# KiCad board DFTBoard.kicad_pcb (continued)
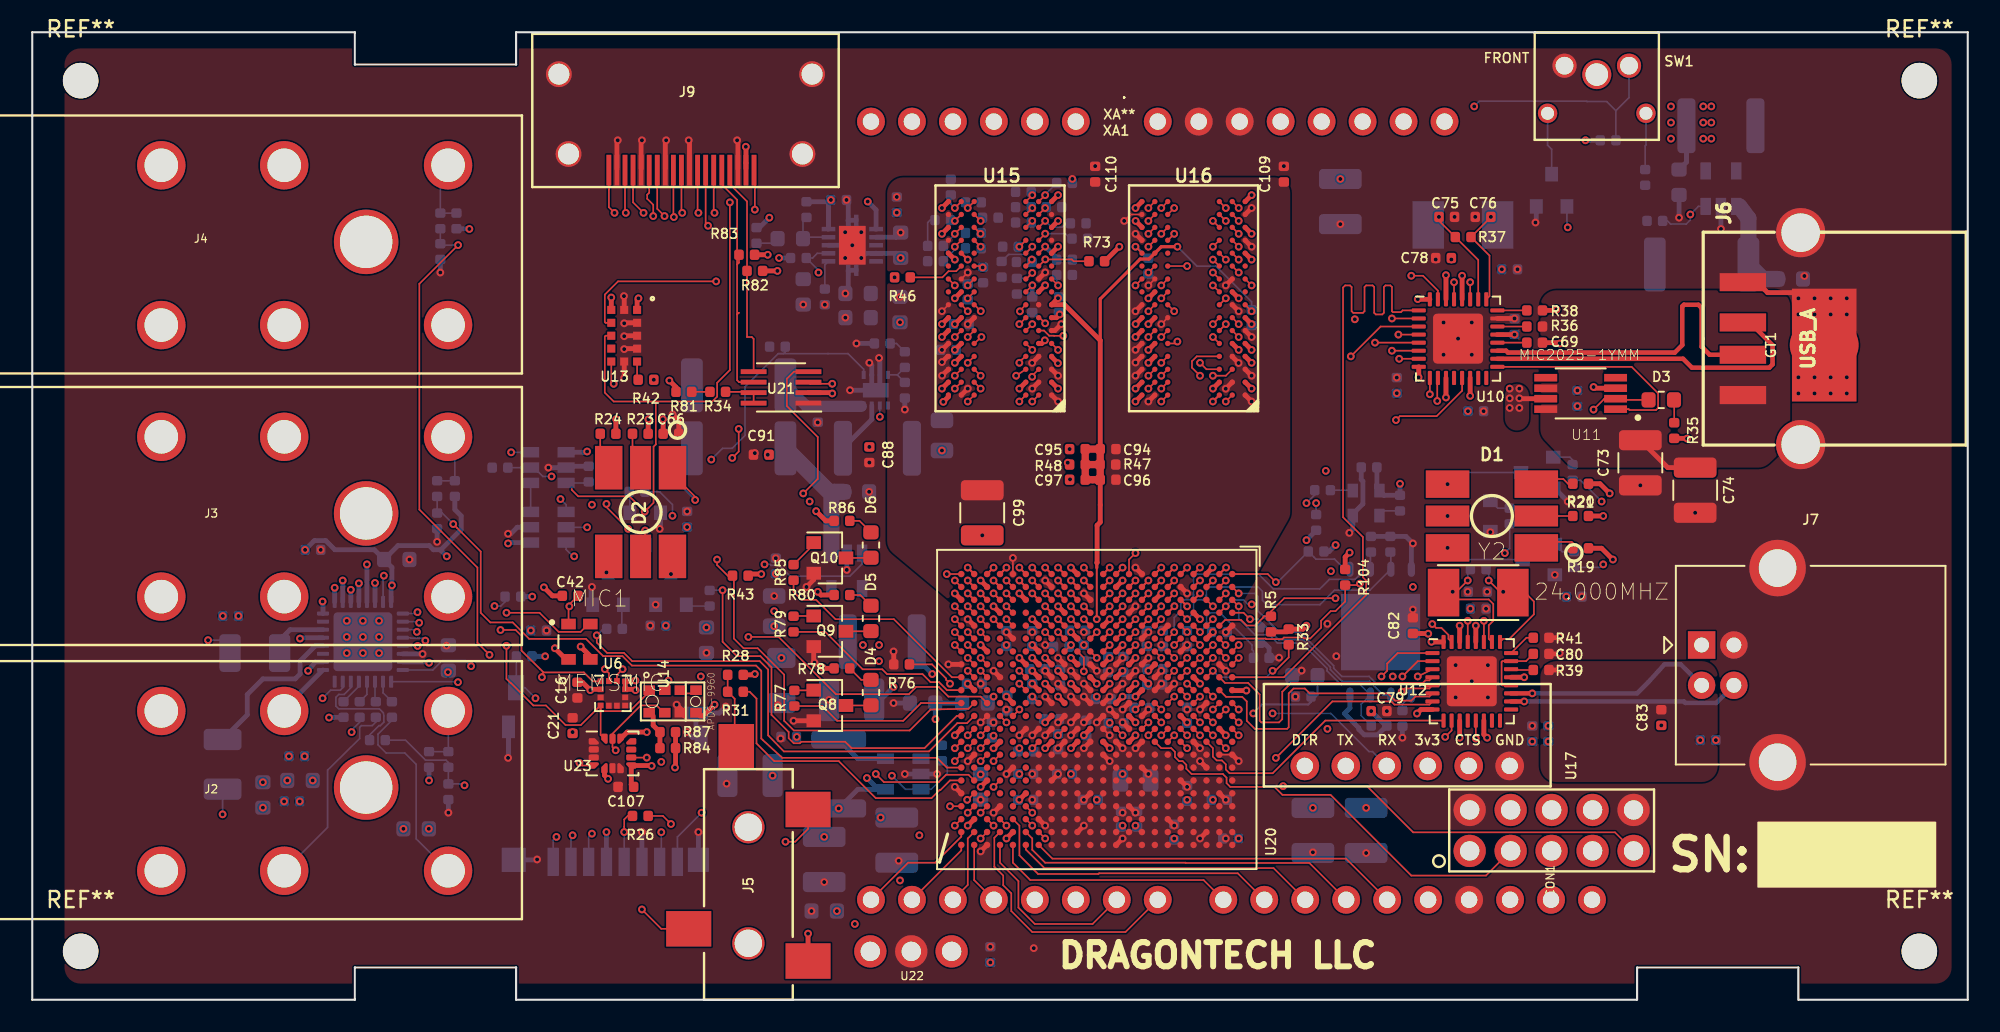
[diagram p0: board, top side]
## Routing (per net, layer and track width the routed paths; a pad name or vN(x,y) marks a point on that pad's centre or on a via; arc(x,y) is an arc through that point) (continued)
  SIGNAL4 w0.102: v1(65.2,23.6) 65.01,23.6
DDR3_A2: length 51.5
  TOP_GND w0.102: U16.P3 v1(73.2,48.3) ; U15.P3 v1(62,48.3)
  TOP_GND w0.13: U20.K4 v1(67.6,24.4)
  SIGNAL1 w0.102: v1(73.2,48.3) 71.6,49.9 66.5,49.9 65.78,49.17 63.57,49.17 63.1,48.7 62.4,48.7 v1(62,48.3)
  SIGNAL4 w0.102: 67.6,24.6 v1(67.6,24.4) 67.6,24.74 67.67,24.81 67.79,24.81 68,25.02 68,27.05 68.25,27.3 69.2,27.3 70.03,28.12 70.57,28.12 78.53,36.08 78.53,37.97 78.53,38 78.54,38.03 78.55,38.05 78.57,38.07 78.59,38.08 78.62,38.09 78.65,38.09 78.65,38.09 78.68,38.1 78.7,38.11 78.73,38.12 78.75,38.14 78.76,38.16 78.77,38.19 78.77,38.22 78.77,38.38 78.77,38.4 78.76,38.43 78.75,38.45 78.73,38.47 78.7,38.48 78.68,38.49 78.65,38.5 78.4,38.5 78.37,38.5 78.35,38.51 78.32,38.52 78.3,38.54 78.29,38.56 78.28,38.59 78.28,38.61 78.28,38.78 78.28,38.8 78.29,38.83 78.3,38.85 78.32,38.87 78.35,38.88 78.37,38.89 78.4,38.89 78.65,38.89 78.68,38.9 78.7,38.91 78.73,38.92 78.75,38.94 78.76,38.96 78.77,38.99 78.77,39.02 78.77,39.17 78.77,39.2 78.76,39.23 78.75,39.25 78.73,39.27 78.7,39.28 78.68,39.29 78.65,39.3 78.4,39.3 78.37,39.3 78.35,39.31 78.32,39.32 78.3,39.34 78.29,39.36 78.28,39.39 78.28,39.42 78.28,39.58 78.28,39.6 78.29,39.63 78.3,39.65 78.32,39.67 78.35,39.68 78.37,39.69 78.4,39.69 78.65,39.69 78.68,39.7 78.7,39.71 78.73,39.72 78.75,39.74 78.76,39.76 78.77,39.79 78.77,39.81 78.77,39.97 78.77,40 78.76,40.03 78.75,40.05 78.73,40.07 78.7,40.08 78.68,40.09 78.65,40.09 78.4,40.09 78.37,40.1 78.35,40.11 78.32,40.12 78.3,40.14 78.29,40.16 78.28,40.19 78.28,40.22 78.28,40.38 78.28,40.4 78.29,40.43 78.3,40.45 78.32,40.47 78.35,40.48 78.37,40.49 78.4,40.5 78.65,40.5 78.68,40.5 78.7,40.51 78.73,40.52 78.75,40.54 78.76,40.56 78.77,40.59 78.77,40.61 78.77,40.78 78.77,40.8 78.76,40.83 78.75,40.85 78.73,40.87 78.7,40.88 78.68,40.89 78.65,40.89 78.65,40.89 78.62,40.9 78.59,40.91 78.57,40.92 78.55,40.94 78.54,40.96 78.53,40.99 78.53,41.02 78.53,42.53 78.5,42.55 78.5,45.6 76.15,47.95 75.45,47.95 75.2,47.7 75.2,47.3 75,47.1 73.67,47.1 73.2,47.57 v1(73.2,48.3)
DDR3_A3: length 53.7
  TOP_GND w0.102: U16.N2 v1(74.8,46.7) ; U15.N2 62.8,47.5 v1(62.8,47.51)
  TOP_GND w0.13: U20.L4 v1(66.8,24.4)
  SIGNAL2 w0.102: v1(62.8,47.51) 63.19,47.9 64.33,47.9 64.37,47.9 64.4,47.88 64.44,47.86 64.46,47.84 64.48,47.8 64.5,47.77 64.5,47.69 64.52,47.66 64.54,47.62 64.56,47.6 64.6,47.58 64.63,47.56 64.67,47.56 64.73,47.56 64.77,47.56 64.8,47.58 64.84,47.6 64.86,47.62 64.88,47.66 64.9,47.69 64.9,47.73 64.9,47.9 64.93,47.9 64.93,48.07 64.93,48.11 64.95,48.14 64.97,48.18 64.99,48.2 65.03,48.22 65.06,48.24 65.1,48.24 65.16,48.24 65.2,48.24 65.23,48.22 65.27,48.2 65.29,48.18 65.31,48.14 65.33,48.11 65.33,48.03 65.35,48 65.37,47.96 65.39,47.94 65.43,47.92 65.46,47.9 65.5,47.9 72.8,47.9 74,46.7 v1(74.8,46.7)
  SIGNAL4 w0.102: v1(74.8,46.7) 74.9,46.7 75.3,47.1 76.4,47.1 76.91,46.59 76.91,46.59 78.02,45.47 78.02,38.57 78.03,38.57 78.03,36.53 76.46,34.96 76.43,34.92 76.41,34.88 76.4,34.83 76.4,34.78 76.41,34.73 76.43,34.68 76.49,34.61 76.51,34.56 76.52,34.51 76.52,34.46 76.51,34.41 76.49,34.37 76.46,34.33 76.35,34.22 76.31,34.19 76.27,34.17 76.22,34.16 76.17,34.16 76.12,34.17 76.07,34.19 76.04,34.22 75.74,34.52 75.7,34.55 75.66,34.56 75.62,34.57 75.58,34.57 75.53,34.56 75.49,34.55 75.46,34.52 75.31,34.37 75.29,34.34 75.27,34.3 75.26,34.26 75.26,34.21 75.27,34.17 75.29,34.13 75.31,34.09 75.61,33.8 75.64,33.76 75.66,33.71 75.67,33.66 75.67,33.61 75.66,33.57 75.64,33.52 75.61,33.48 75.5,33.37 75.46,33.34 75.42,33.32 75.37,33.31 75.32,33.31 75.27,33.32 75.23,33.34 75.19,33.37 74.89,33.67 74.86,33.7 74.82,33.72 74.77,33.73 74.73,33.73 74.69,33.72 74.65,33.7 74.61,33.67 74.47,33.52 74.44,33.49 74.42,33.45 74.41,33.41 74.41,33.36 74.42,33.32 74.44,33.28 74.47,33.24 74.76,32.95 74.79,32.91 74.82,32.86 74.83,32.82 74.83,32.77 74.82,32.72 74.79,32.67 74.76,32.63 74.65,32.52 74.61,32.49 74.57,32.47 74.52,32.46 74.47,32.46 74.42,32.47 74.38,32.49 74.34,32.52 74.04,32.82 74.01,32.85 73.97,32.87 73.92,32.88 73.88,32.88 73.84,32.87 73.8,32.85 73.76,32.82 73.62,32.68 73.59,32.64 73.57,32.6 73.56,32.56 73.56,32.51 73.57,32.47 73.59,32.43 73.62,32.4 73.91,32.1 73.95,32.06 73.97,32.02 73.98,31.97 73.98,31.92 73.97,31.87 73.95,31.82 73.91,31.79 73.8,31.68 73.77,31.64 73.72,31.62 73.67,31.61 73.62,31.61 73.57,31.62 73.53,31.64 73.49,31.68 73.19,31.97 73.16,32 73.12,32.02 73.08,32.03 73.03,32.03 72.99,32.02 72.95,32 72.91,31.97 72.77,31.83 72.74,31.79 72.72,31.75 72.71,31.71 72.71,31.67 72.72,31.62 72.74,31.58 72.77,31.55 72.91,31.41 72.91,31.41 73.06,31.25 73.09,31.21 73.12,31.17 73.13,31.12 73.13,31.07 73.12,31.02 73.09,30.97 73.06,30.93 72.95,30.82 72.92,30.79 72.87,30.77 72.82,30.76 72.77,30.76 72.72,30.77 72.68,30.79 72.6,30.86 72.56,30.88 72.51,30.89 72.46,30.89 72.41,30.88 72.36,30.86 72.32,30.82 69.8,28.3 68.16,28.3 67.2,27.34 67.2,24.8 v1(66.8,24.4) ; 62.8,47.31 v1(62.8,47.51)
  BOTTOM w0.102: 64.37,47.2 64.06,47.51 v1(62.8,47.51)
DDR3_A4: length 50.7
  TOP_GND w0.102: U16.P8 v1(69.2,47.5) ; U15.P8 v1(57.2,47.5)
  TOP_GND w0.13: U20.K6 v1(67.6,22.8)
  SIGNAL1 w0.102: v1(69.2,47.5) 69.39,47.5 70.15,46.74 70.15,45.8 72.19,43.76 72.19,40.69 70.61,39.11 69.01,39.11 68.99,39.12 68.15,39.12 68,38.97 68,36.85 68.3,36.55 68.8,36.55 69.05,36.3 69.05,36 68.53,35.47 68.53,32.83 68.52,32.78 68.51,32.74 68.48,32.7 68.45,32.67 68.41,32.64 68.37,32.63 68.32,32.62 68.27,32.62 68.23,32.62 68.19,32.61 68.15,32.58 68.12,32.55 68.09,32.51 68.08,32.47 68.07,32.42 68.08,32.38 68.09,32.34 68.12,32.3 68.15,32.27 68.19,32.24 68.23,32.23 68.27,32.22 68.78,32.22 68.82,32.22 68.86,32.21 68.9,32.18 68.93,32.15 68.96,32.11 68.97,32.07 68.98,32.03 68.97,31.98 68.96,31.94 68.93,31.9 68.9,31.87 68.86,31.84 68.82,31.83 68.78,31.82 68.27,31.82 68.23,31.82 68.19,31.81 68.15,31.78 68.12,31.75 68.09,31.71 68.08,31.67 68.07,31.62 68.08,31.58 68.09,31.54 68.12,31.5 68.15,31.47 68.19,31.44 68.23,31.43 68.27,31.43 68.78,31.43 68.82,31.42 68.86,31.41 68.9,31.38 68.93,31.35 68.96,31.31 68.97,31.27 68.98,31.22 68.97,31.18 68.96,31.14 68.93,31.1 68.9,31.07 68.86,31.04 68.82,31.03 68.78,31.03 68.72,31.03 68.68,31.02 68.64,31.01 68.6,30.98 68.57,30.95 68.54,30.91 68.53,30.87 68.53,30.82 68.53,30.75 66.4,28.62 66.4,23.35 66.55,23.2 67.2,23.2 v1(67.6,22.8)
  SIGNAL4 w0.102: v1(69.2,47.5) 68.8,47.9 65.45,47.9 65.41,47.91 65.36,47.92 65.33,47.94 65.29,47.98 65.27,48.01 65.26,48.06 65.25,48.1 65.25,48.17 65.24,48.22 65.23,48.26 65.21,48.3 65.17,48.33 65.14,48.35 65.09,48.37 65.05,48.37 65.01,48.37 64.96,48.35 64.93,48.33 64.89,48.3 64.87,48.26 64.86,48.22 64.85,48.17 64.85,48.1 64.84,48.06 64.83,48.01 64.81,47.98 64.77,47.94 64.74,47.92 64.69,47.91 64.65,47.9 U15.P8 v1(57.2,47.5) ; v1(67.6,22.8) 67.6,22.61
  BOTTOM w0.102: R55.1 57.2,47.47 v1(57.2,47.5) 57.2,47.42
DDR3_A5: length 52.8
  TOP_GND w0.102: U16.P2 v1(74.8,47.5) ; v1(62.8,48.3) 62.8,48.3 U15.P2
  TOP_GND w0.13: U20.K5 v1(67.6,23.6)
  SIGNAL1 w0.102: v1(74.8,47.5) 74.39,47.91 72.81,47.91 71.22,49.49 67.59,49.49 66.79,48.69 63.38,48.69 62.99,48.3 v1(62.8,48.3)
  SIGNAL4 w0.102: 67.41,23.6 v1(67.6,23.6) 68,24 68,24.58 68.21,24.79 68.42,24.79 68.43,24.8 68.7,24.8 68.8,24.9 68.8,26.25 70.3,27.75 71.15,27.75 74.03,30.62 74.06,30.65 74.1,30.67 74.14,30.68 74.19,30.68 74.23,30.67 74.27,30.65 74.31,30.62 74.34,30.59 74.37,30.57 74.41,30.55 74.46,30.54 74.5,30.54 74.55,30.55 74.59,30.57 74.62,30.59 74.65,30.63 74.67,30.67 74.68,30.71 74.68,30.76 74.67,30.8 74.65,30.84 74.62,30.88 74.31,31.19 74.28,31.22 74.26,31.26 74.25,31.31 74.25,31.35 74.26,31.39 74.28,31.43 74.31,31.47 74.31,31.47 74.35,31.5 74.39,31.52 74.43,31.53 74.48,31.53 74.52,31.52 74.56,31.5 74.59,31.47 74.9,31.16 74.94,31.13 74.98,31.11 75.02,31.1 75.07,31.1 75.11,31.11 75.15,31.13 75.19,31.16 75.22,31.19 75.23,31.23 75.24,31.28 75.24,31.32 75.23,31.37 75.22,31.41 75.19,31.44 74.88,31.75 74.85,31.79 74.83,31.83 74.82,31.87 74.82,31.92 74.83,31.96 74.85,32 74.88,32.03 74.88,32.04 74.91,32.06 74.95,32.08 75,32.09 75.04,32.09 75.08,32.08 75.12,32.06 75.19,32.01 75.23,31.99 75.28,31.98 75.32,31.98 75.36,31.99 75.4,32.01 75.44,32.04 79,35.6 79,45.65 76.5,48.15 76.5,48.15 75.32,48.15 74.8,47.64 v1(74.8,47.5)
  BOTTOM w0.102: R56.1 64.1,48.15 63.86,47.91 63.19,47.91 v1(62.8,48.3) 62.8,48.22
DDR3_A6: length 50.8
  TOP_GND w0.102: U15.R8 v1(57.2,48.3) ; U16.R8 v1(69.2,48.3)
  TOP_GND w0.13: U20.J7 v1(68.4,22)
  SIGNAL1 w0.102: v1(57.2,48.3) 57.6,47.9 61.42,47.9 61.46,47.9 61.5,47.88 61.54,47.86 61.57,47.83 61.59,47.79 61.61,47.75 61.62,47.67 61.63,47.63 61.65,47.59 61.68,47.56 61.72,47.54 61.76,47.53 61.8,47.52 62.02,47.52 62.06,47.53 62.1,47.54 62.14,47.56 62.17,47.59 62.19,47.63 62.21,47.67 62.22,47.75 62.23,47.79 62.25,47.83 62.28,47.86 62.32,47.88 62.36,47.9 62.4,47.9 66.72,47.9 67.51,48.69 68.81,48.69 v1(69.2,48.3) ; v1(68.4,22) 68,22.4 68,24.6 67.8,24.8 67.4,24.8 67.2,25 67.2,28.75 70,31.55 70,31.95 70.01,31.99 70.02,32.04 70.04,32.07 70.08,32.11 70.11,32.13 70.16,32.14 70.2,32.15 70.25,32.15 70.29,32.16 70.34,32.17 70.38,32.19 70.41,32.23 70.43,32.26 70.45,32.31 70.45,32.35 70.45,32.39 70.43,32.44 70.41,32.47 70.38,32.51 70.34,32.53 70.29,32.54 70.25,32.55 69.75,32.55 69.71,32.56 69.66,32.57 69.62,32.59 69.59,32.63 69.57,32.66 69.55,32.71 69.55,32.75 69.55,32.79 69.57,32.84 69.59,32.87 69.62,32.91 69.66,32.93 69.71,32.94 69.75,32.95 70.25,32.95 70.29,32.96 70.34,32.97 70.38,32.99 70.41,33.03 70.43,33.06 70.45,33.11 70.45,33.15 70.45,33.19 70.43,33.24 70.41,33.27 70.38,33.31 70.34,33.33 70.29,33.34 70.25,33.35 69.75,33.35 69.71,33.36 69.66,33.37 69.62,33.39 69.59,33.43 69.57,33.46 69.55,33.51 69.55,33.55 69.55,33.59 69.57,33.64 69.59,33.67 69.62,33.71 69.66,33.73 69.71,33.74 69.75,33.75 70.25,33.75 70.29,33.76 70.34,33.77 70.38,33.79 70.41,33.83 70.43,33.86 70.45,33.91 70.45,33.95 70.45,33.99 70.43,34.04 70.41,34.07 70.38,34.11 70.34,34.13 70.29,34.14 70.25,34.15 69.75,34.15 69.71,34.16 69.66,34.17 69.62,34.19 69.59,34.23 69.57,34.26 69.55,34.31 69.55,34.35 69.55,34.39 69.57,34.44 69.59,34.47 69.62,34.51 69.66,34.53 69.71,34.54 69.75,34.55 69.8,34.55 69.84,34.56 69.89,34.57 69.92,34.59 69.96,34.63 69.98,34.66 69.99,34.71 70,34.75 70,36.15 70.75,36.9 70.75,38.6 72.8,40.65 72.8,43.8 71.49,45.11 71.41,45.11 71.13,45.39 71.13,45.47 70.5,46.1 70.5,47 70.4,47.1 70.4,47.7 69.8,48.3 v1(69.2,48.3) ; v1(69.2,48.3) 69.05,48.3
  BOTTOM w0.102: 56.94,48.3 v1(57.2,48.3) 56.99,48.3
DDR3_A7: length 51.5
  TOP_GND w0.102: U16.R2 v1(74.8,48.3) ; U15.R2 v1(62.8,49.1)
  TOP_GND w0.13: U20.J6 v1(68.4,22.8)
  SIGNAL2 w0.102: v1(74.8,48.3) U16.R2 73.6,48.7 72.8,49.5 65.2,49.5 65.16,49.5 65.13,49.52 65.09,49.54 65.07,49.56 65.05,49.6 65.03,49.63 65.03,49.71 65.01,49.74 64.99,49.78 64.97,49.8 64.93,49.82 64.9,49.83 64.86,49.84 64.8,49.84 64.76,49.83 64.73,49.82 64.69,49.8 64.67,49.78 64.65,49.74 64.63,49.71 64.63,49.67 64.63,49.5 64.6,49.5 64.6,49.33 64.6,49.29 64.58,49.26 64.56,49.22 64.54,49.2 64.5,49.18 64.47,49.17 64.43,49.16 64.37,49.16 64.33,49.17 64.3,49.18 64.26,49.2 64.24,49.22 64.22,49.26 64.2,49.29 64.2,49.37 64.18,49.4 64.16,49.44 64.14,49.46 64.1,49.48 64.07,49.5 64.03,49.5 63.2,49.5 v1(62.8,49.1)
  SIGNAL4 w0.102: v1(74.8,48.3) 75.14,48.3 75.2,48.36 76.97,48.36 79.44,45.89 79.44,34.99 75.74,31.29 74,29.55 73.97,29.51 73.95,29.48 73.94,29.44 73.94,29.39 73.95,29.35 73.97,29.32 74.02,29.25 74.04,29.21 74.05,29.17 74.05,29.13 74.04,29.09 74.02,29.05 74,29.02 73.98,29 73.95,28.97 73.91,28.95 73.87,28.95 73.83,28.95 73.79,28.95 73.75,28.97 73.71,29 73.42,29.29 73.39,29.32 73.35,29.34 73.3,29.35 73.26,29.35 73.22,29.34 73.17,29.32 73.14,29.29 73.11,29.26 73.09,29.22 73.08,29.17 73.08,29.13 73.09,29.08 73.11,29.04 73.14,29.01 73.3,28.85 73.29,28.84 73.42,28.71 73.45,28.67 73.47,28.64 73.48,28.6 73.48,28.55 73.47,28.51 73.45,28.48 73.42,28.44 73.41,28.43 73.37,28.4 73.34,28.38 73.29,28.37 73.25,28.37 73.21,28.38 73.17,28.4 73.11,28.45 73.07,28.47 73.03,28.48 72.99,28.48 72.95,28.47 72.91,28.45 72.88,28.43 71.75,27.3 70.7,27.3 70.4,27 70.4,26.5 70.3,26.4 69.8,26.4 69.6,26.2 69.6,25 69.4,24.8 69.03,24.8 68.8,24.58 68.8,23.2 v1(68.4,22.8) ; 62.9,49.1 v1(62.8,49.1)
DDR3_A8: length 50.1
  TOP_GND w0.102: U15.T8 v1(57.2,49.1) ; U16.T8 v1(69.2,49.1)
  TOP_GND w0.13: U20.J5 v1(68.4,23.6)
  SIGNAL1 w0.102: v1(68.4,23.6) 68.8,24 69.4,24 69.6,24.2 69.6,28.2 69.8,28.4 69.84,28.43 69.88,28.45 69.92,28.46 69.96,28.46 70.01,28.45 70.05,28.43 70.08,28.4 70.15,28.33 70.19,28.3 70.23,28.28 70.27,28.27 70.32,28.27 70.36,28.28 70.4,28.3 70.44,28.33 70.46,28.36 70.48,28.4 70.49,28.45 70.49,28.49 70.48,28.54 70.46,28.58 70.44,28.61 70.14,28.91 70.12,28.93 70.11,28.96 70.1,28.99 70.1,29.02 70.11,29.04 70.12,29.07 70.14,29.09 70.24,29.2 70.26,29.21 70.29,29.23 70.32,29.23 70.34,29.23 70.37,29.23 70.4,29.21 70.42,29.2 70.72,28.89 70.75,28.87 70.79,28.85 70.84,28.84 70.88,28.84 70.93,28.85 70.97,28.87 71,28.89 71.03,28.93 71.05,28.97 71.06,29.01 71.06,29.06 71.05,29.1 71.03,29.14 71,29.18 70.93,29.25 70.9,29.28 70.88,29.32 70.87,29.37 70.87,29.41 70.88,29.46 70.9,29.5 70.93,29.53 75.2,33.8 75.2,45.28 74.97,45.5 74.57,45.5 74.4,45.67 74.4,46.12 74.22,46.3 72.8,46.3 71.2,47.9 70.55,47.9 69.75,48.7 69.6,48.7 v1(69.2,49.1)
  SIGNAL4 w0.102: v1(69.2,49.1) 68.8,49.5 60.35,49.5 60.31,49.49 60.26,49.48 60.23,49.46 60.19,49.42 60.17,49.39 60.16,49.34 60.15,49.3 60.15,49.23 60.14,49.18 60.13,49.14 60.11,49.1 60.07,49.07 60.04,49.05 59.99,49.03 59.95,49.03 59.91,49.03 59.86,49.05 59.83,49.07 59.79,49.1 59.77,49.14 59.76,49.18 59.75,49.23 59.75,49.3 59.74,49.34 59.73,49.39 59.71,49.42 59.67,49.46 59.64,49.48 59.59,49.49 59.55,49.5 U15.T8 v1(57.2,49.1)
  BOTTOM w0.102: R59.1 56.95,49.35 v1(57.2,49.1)
DDR3_A9: length 50.2
  TOP_GND w0.102: U16.R3 v1(74,48.3) ; U15.R3 v1(62,49.1)
  TOP_GND w0.13: U20.H5 v1(69.2,23.6)
  SIGNAL1 w0.102: v1(62,49.1) 62.4,49.5 64,49.5 64.7,50.2 64.9,50.2 64.93,50.2 64.95,50.19 64.97,50.17 64.99,50.16 65,50.13 65.01,50.11 65.02,50.06 65.03,50.03 65.04,50.01 65.06,49.99 65.08,49.98 65.11,49.97 65.13,49.97 65.3,49.97 65.33,49.97 65.35,49.98 65.37,49.99 65.39,50.01 65.4,50.03 65.41,50.06 65.42,50.11 65.43,50.13 65.44,50.16 65.46,50.17 65.48,50.19 65.51,50.2 65.53,50.2 72.1,50.2 v1(74,48.3)
  SIGNAL4 w0.102: v1(74,48.3) 74.4,48.7 77.3,48.7 79.95,46.05 79.95,34.53 73.32,27.9 72.92,27.9 72.01,26.99 72.01,26.9 72,26.9 72,26.53 71.07,25.6 70.57,25.6 70.4,25.43 70.4,24.97 70.22,24.79 69.81,24.79 69.6,24.59 69.6,24 v1(69.2,23.6) ; v1(62,49.1) 62.14,49.1
DDR3_A10: length 52
  TOP_GND w0.102: U15.L7 58.84,45.5 v1(58.93,45.41) ; U16.L7 v1(71.6,45.5)
  TOP_GND w0.13: U20.J3 v1(68.4,25.2)
  SIGNAL1 w0.102: v1(71.6,45.5) 71.35,45.75 71.35,45.9 71.43,45.97 71.72,45.97 73,44.7 73.38,44.7 73.6,44.47 73.6,40.92 72.8,40.12 72.8,39.3 72.6,39.1 72,39.1 71.53,38.62 71.53,38.08 71.53,38.03 71.54,37.99 71.57,37.95 71.6,37.92 71.64,37.89 71.68,37.88 71.72,37.88 71.82,37.88 71.87,37.87 71.91,37.86 71.95,37.83 71.98,37.8 72.01,37.76 72.02,37.72 72.03,37.67 72.02,37.63 72.01,37.59 71.98,37.55 71.95,37.52 71.91,37.49 71.87,37.48 71.82,37.47 71.22,37.47 71.18,37.47 71.14,37.46 71.1,37.43 71.07,37.4 71.04,37.36 71.03,37.32 71.03,37.28 71.03,37.23 71.04,37.19 71.07,37.15 71.1,37.12 71.14,37.09 71.18,37.08 71.22,37.08 71.82,37.08 71.87,37.07 71.91,37.06 71.95,37.03 71.98,37 72.01,36.96 72.02,36.92 72.03,36.88 72.02,36.83 72.01,36.79 71.98,36.75 71.95,36.72 71.91,36.69 71.87,36.68 71.82,36.67 71.22,36.67 71.18,36.67 71.14,36.66 71.1,36.63 71.07,36.6 71.04,36.56 71.03,36.52 71.03,36.47 71.03,36.43 71.04,36.39 71.07,36.35 71.1,36.32 71.14,36.29 71.18,36.28 71.22,36.28 71.82,36.28 71.87,36.27 71.91,36.26 71.95,36.23 71.98,36.2 72.01,36.16 72.02,36.12 72.03,36.08 72.02,36.03 72.01,35.99 71.98,35.95 71.95,35.92 71.91,35.89 71.87,35.88 71.82,35.88 71.22,35.88 71.18,35.87 71.14,35.86 71.1,35.83 71.07,35.8 71.04,35.76 71.03,35.72 71.03,35.67 71.03,35.63 71.04,35.59 71.07,35.55 71.1,35.52 71.14,35.49 71.18,35.48 71.22,35.47 71.82,35.47 71.87,35.47 71.91,35.46 71.95,35.43 71.98,35.4 72.01,35.36 72.02,35.32 72.03,35.28 72.02,35.23 72.01,35.19 71.98,35.15 71.95,35.12 71.91,35.09 71.87,35.08 71.82,35.08 71.22,35.08 71.18,35.07 71.14,35.06 71.1,35.03 71.07,35 71.04,34.96 71.03,34.92 71.03,34.88 71.03,34.83 71.04,34.79 71.07,34.75 71.1,34.72 71.14,34.69 71.18,34.68 71.22,34.67 71.82,34.67 71.87,34.67 71.91,34.66 71.95,34.63 71.98,34.6 72.01,34.56 72.02,34.52 72.03,34.47 72.02,34.43 72.01,34.39 71.98,34.35 71.95,34.32 71.91,34.29 71.87,34.28 71.82,34.28 71.22,34.28 71.18,34.27 71.14,34.26 71.1,34.23 71.07,34.2 71.04,34.16 71.03,34.12 71.03,34.08 71.03,34.03 71.04,33.99 71.07,33.95 71.1,33.92 71.14,33.89 71.18,33.88 71.22,33.88 71.82,33.88 71.87,33.87 71.91,33.86 71.95,33.83 71.98,33.8 72.01,33.76 72.02,33.72 72.03,33.67 72.02,33.63 72.01,33.59 71.98,33.55 71.95,33.52 71.91,33.49 71.87,33.48 71.82,33.47 71.22,33.47 71.18,33.47 71.14,33.46 71.1,33.43 71.07,33.4 71.04,33.36 71.03,33.32 71.03,33.28 71.03,33.23 71.04,33.19 71.07,33.15 71.1,33.12 71.14,33.09 71.18,33.08 71.22,33.08 71.82,33.08 71.87,33.07 71.91,33.06 71.95,33.03 71.98,33 72.01,32.96 72.02,32.92 72.03,32.88 72.02,32.83 72.01,32.79 71.98,32.75 71.95,32.72 71.91,32.69 71.87,32.68 71.82,32.67 71.72,32.67 71.68,32.67 71.64,32.66 71.6,32.63 71.57,32.6 71.54,32.56 71.53,32.52 71.53,32.47 71.53,32.33 68,28.81 68,25.6 v1(68.4,25.2)
  SIGNAL4 w0.102: v1(58.93,45.41) 59.27,45.41 59.35,45.5 62.16,45.5 62.41,45.26 62.41,44.92 62.61,44.71 63.16,44.71 63.18,44.72 70.8,44.7 v1(71.6,45.5)
  BOTTOM w0.102: 58.96,45.45 v1(58.93,45.41)
DDR3_A11: length 50.1
  TOP_GND w0.102: U15.R7 v1(58.8,48.3) ; U16.R7 v1(70.8,49.1)
  TOP_GND w0.13: U20.G5 69.99,23.59 v1(69.99,23.6)
  SIGNAL1 w0.102: v1(70.8,49.1) 72.4,47.5 74,47.5 74.4,47.1 76.4,47.1 76.75,46.75 76.75,45.25 76.75,45.23 76.74,45.21 76.73,45.2 76.72,45.18 76.7,45.17 76.69,45.17 76.65,45.16 76.63,45.16 76.61,45.15 76.6,45.14 76.59,45.12 76.59,45.1 76.58,45.08 76.58,44.85 76.59,44.83 76.59,44.81 76.6,44.8 76.61,44.78 76.63,44.77 76.65,44.77 76.69,44.76 76.7,44.76 76.72,44.75 76.73,44.74 76.74,44.72 76.75,44.7 76.75,44.68 76.75,33.1 72.81,29.16 72.78,29.12 72.76,29.08 72.75,29.04 72.75,28.99 72.76,28.95 72.78,28.91 72.81,28.87 72.81,28.87 72.84,28.83 72.86,28.79 72.87,28.75 72.87,28.7 72.86,28.66 72.84,28.62 72.81,28.58 72.78,28.56 72.74,28.54 72.69,28.53 72.65,28.53 72.61,28.54 72.57,28.56 72.53,28.58 72.2,28.92 72.16,28.94 72.12,28.96 72.08,28.97 72.03,28.97 71.99,28.96 71.95,28.94 71.92,28.92 71.89,28.88 71.87,28.84 71.86,28.8 71.86,28.75 71.87,28.71 71.89,28.67 71.92,28.63 72.25,28.3 72.28,28.27 72.3,28.23 72.31,28.18 72.31,28.14 72.3,28.09 72.28,28.05 72.25,28.02 72.21,27.99 72.17,27.97 72.13,27.96 72.08,27.96 72.04,27.97 72,27.99 71.97,28.02 71.96,28.03 71.92,28.05 71.88,28.07 71.84,28.08 71.79,28.08 71.75,28.07 71.71,28.05 71.68,28.03 71.2,27.55 71.2,25 71,24.8 70.55,24.8 70.39,24.64 70.39,24 v1(69.99,23.6)
  SIGNAL4 w0.102: v1(58.8,48.3) 59.2,48.7 59.75,48.7 59.79,48.69 59.84,48.68 59.87,48.66 59.91,48.62 59.93,48.59 59.94,48.54 59.95,48.5 59.95,48.43 59.96,48.38 59.97,48.34 59.99,48.3 60.03,48.27 60.06,48.25 60.11,48.23 60.15,48.23 60.19,48.23 60.24,48.25 60.27,48.27 60.31,48.3 60.33,48.34 60.34,48.38 60.35,48.43 60.35,48.5 60.36,48.54 60.37,48.59 60.39,48.62 60.43,48.66 60.46,48.68 60.51,48.69 60.55,48.7 U16.R7 v1(70.8,49.1)
  BOTTOM w0.102: 58.8,48.36 v1(58.8,48.3) 58.84,48.33 58.84,48.5
DDR3_A12: length 49.8
  TOP_GND w0.102: U16.N7 v1(70.8,47.5) ; U15.N7 58.39,47.09 v1(58.8,46.7)
  TOP_GND w0.13: U20.H4 v1(69.2,24.4)
  SIGNAL1 w0.102: v1(70.8,47.5) 72.8,45.5 73.57,45.5 74.4,44.67 74.4,36.75 74.39,36.71 74.38,36.66 74.36,36.63 74.32,36.59 74.29,36.57 74.24,36.56 74.2,36.55 74.1,36.55 74.06,36.54 74.01,36.53 73.98,36.51 73.94,36.47 73.92,36.44 73.91,36.39 73.9,36.35 73.91,36.31 73.92,36.26 73.94,36.23 73.98,36.19 74.01,36.17 74.06,36.16 74.1,36.15 74.7,36.15 74.74,36.14 74.79,36.13 74.82,36.11 74.86,36.07 74.88,36.04 74.89,35.99 74.9,35.95 74.89,35.91 74.88,35.86 74.86,35.83 74.82,35.79 74.79,35.77 74.74,35.76 74.7,35.75 74.1,35.75 74.06,35.74 74.01,35.73 73.98,35.71 73.94,35.67 73.92,35.64 73.91,35.59 73.9,35.55 73.91,35.51 73.92,35.46 73.94,35.43 73.98,35.39 74.01,35.37 74.06,35.36 74.1,35.35 74.7,35.35 74.74,35.34 74.79,35.33 74.82,35.31 74.86,35.27 74.88,35.24 74.89,35.19 74.9,35.15 74.89,35.11 74.88,35.06 74.86,35.03 74.82,34.99 74.79,34.97 74.74,34.96 74.7,34.95 74.1,34.95 74.06,34.94 74.01,34.93 73.98,34.91 73.94,34.87 73.92,34.84 73.91,34.79 73.9,34.75 73.91,34.71 73.92,34.66 73.94,34.63 73.98,34.59 74.01,34.57 74.06,34.56 74.1,34.55 74.7,34.55 74.74,34.54 74.79,34.53 74.82,34.51 74.86,34.47 74.88,34.44 74.89,34.39 74.9,34.35 74.89,34.31 74.88,34.26 74.86,34.23 74.82,34.19 74.79,34.17 74.74,34.16 74.7,34.15 74.6,34.15 74.56,34.14 74.51,34.13 74.48,34.11 74.44,34.07 74.42,34.04 74.41,33.99 74.4,33.95 74.4,33.7 74.19,33.49 74.15,33.46 74.11,33.44 74.07,33.43 74.02,33.43 73.98,33.44 73.94,33.46 73.91,33.49 73.83,33.56 73.8,33.59 73.76,33.61 73.72,33.62 73.67,33.62 73.63,33.61 73.59,33.59 73.55,33.56 73.52,33.52 73.5,33.48 73.49,33.44 73.49,33.39 73.5,33.35 73.52,33.31 73.55,33.28 73.85,32.98 73.87,32.95 73.88,32.93 73.89,32.9 73.89,32.87 73.88,32.85 73.87,32.82 73.85,32.8 73.75,32.69 73.72,32.67 73.7,32.66 73.67,32.66 73.64,32.66 73.62,32.66 73.59,32.67 73.57,32.69 73.27,32.99 73.23,33.02 73.19,33.04 73.15,33.05 73.1,33.05 73.06,33.04 73.02,33.02 72.99,32.99 72.96,32.96 72.94,32.92 72.93,32.87 72.93,32.83 72.94,32.79 72.96,32.75 72.99,32.71 73.29,32.41 73.3,32.39 73.32,32.36 73.32,32.34 73.32,32.31 73.32,32.28 73.3,32.25 73.29,32.23 73.18,32.13 73.16,32.11 73.13,32.1 73.11,32.09 73.08,32.09 73.05,32.1 73.03,32.11 73,32.13 72.77,32.36 72.74,32.38 72.7,32.4 72.65,32.41 72.61,32.41 72.57,32.4 72.53,32.38 72.49,32.36 72.46,32.32 72.44,32.28 72.43,32.24 72.43,32.19 72.44,32.15 72.46,32.11 72.52,32.04 72.54,32 72.55,31.95 72.55,31.91 72.54,31.87 72.52,31.83 72.49,31.79 68.8,28.1 68.8,24.8 v1(69.2,24.4)
  SIGNAL2 w0.102: v1(70.8,47.5) U16.N7 66.95,47.1 66.91,47.09 66.86,47.08 66.83,47.06 66.79,47.02 66.77,46.99 66.76,46.94 66.75,46.9 66.75,46.84 66.74,46.79 66.73,46.75 66.71,46.71 66.67,46.68 66.64,46.66 66.59,46.64 66.55,46.64 66.51,46.64 66.46,46.66 66.43,46.68 66.39,46.71 66.37,46.75 66.36,46.79 66.35,46.84 66.35,46.9 66.34,46.94 66.33,46.99 66.31,47.02 66.27,47.06 66.24,47.08 66.19,47.09 66.15,47.1 63.01,47.1 63,47.11 62.61,47.11 62.61,47.11 59.21,47.11 v1(58.8,46.7)
DDR3_A13: length 46.9
  TOP_GND w0.102: U16.T3 v1(74,49.1) ; U15.T3 v1(62,49.9)
  TOP_GND w0.13: U20.F4 70.8,24.4 v1(70.81,24.4)
  SIGNAL1 w0.102: v1(62,49.9) 62.61,50.51 72.59,50.51 v1(74,49.1) 74.4,49.5 76.7,49.5 77.53,48.67 77.53,32.92 74.3,29.7 74.27,29.67 74.23,29.66 74.2,29.65 74.16,29.65 74.13,29.66 74.1,29.67 74.04,29.72 74.01,29.73 73.97,29.74 73.94,29.74 73.9,29.73 73.87,29.72 73.84,29.7 73.79,29.64 73.76,29.61 73.75,29.58 73.74,29.54 73.74,29.51 73.75,29.47 73.76,29.44 73.79,29.41 73.9,29.3 73.89,29.29 74.02,29.16 74.05,29.13 74.06,29.09 74.07,29.05 74.07,29.01 74.06,28.97 74.05,28.93 74.02,28.9 74,28.88 73.97,28.85 73.93,28.83 73.89,28.82 73.85,28.82 73.81,28.83 73.77,28.85 73.7,28.9 73.67,28.92 73.63,28.93 73.59,28.93 73.54,28.92 73.51,28.9 73.47,28.88 72,27.4 72,24.95 71.85,24.8 71.3,24.8 70.9,24.4 v1(70.81,24.4)
DDR3_A14: length 49.3
  TOP_GND w0.102: U15.T7 v1(58,49.1) ; U16.T7 v1(70,49.1)
  TOP_GND w0.13: U20.G4 70,24.4 v1(70,24.4)
  SIGNAL1 w0.102: v1(70,49.1) 70.85,48.25 71.35,48.25 72.5,47.1 73.82,47.1 74.63,46.29 75.79,46.29 76.07,46.01 76.07,45.53 76.07,45.5 76.06,45.47 76.05,45.45 76.03,45.43 76.01,45.42 75.98,45.41 75.96,45.41 75.85,45.41 75.82,45.4 75.8,45.39 75.78,45.38 75.76,45.36 75.74,45.34 75.73,45.31 75.73,45.28 75.73,45.12 75.73,45.1 75.74,45.07 75.76,45.05 75.78,45.03 75.8,45.02 75.82,45.01 75.85,45 75.96,45 75.98,45 76.01,44.99 76.03,44.98 76.05,44.96 76.06,44.94 76.07,44.91 76.07,44.89 76.07,33.67 73.03,30.63 73,30.6 72.98,30.56 72.97,30.51 72.97,30.47 72.98,30.42 73,30.38 73.03,30.35 73.1,30.28 73.13,30.25 73.15,30.21 73.16,30.16 73.16,30.12 73.15,30.07 73.13,30.03 73.1,30 73.06,29.97 73.02,29.95 72.98,29.94 72.93,29.94 72.89,29.95 72.85,29.97 72.82,30 72.4,30.42 72.36,30.44 72.32,30.46 72.28,30.47 72.23,30.47 72.19,30.46 72.15,30.44 72.12,30.42 72.09,30.38 72.07,30.34 72.06,30.3 72.06,30.25 72.07,30.21 72.09,30.17 72.12,30.13 72.53,29.72 72.56,29.68 72.58,29.64 72.59,29.6 72.59,29.55 72.58,29.51 72.56,29.47 72.53,29.43 72.5,29.41 72.46,29.39 72.41,29.38 72.37,29.38 72.33,29.39 72.28,29.41 72.25,29.43 72.18,29.5 72.15,29.53 72.11,29.55 72.06,29.56 72.02,29.56 71.98,29.55 71.94,29.53 71.9,29.5 70.4,28 70.4,24.94 70,24.53 v1(70,24.4)
  SIGNAL2 w0.102: v1(70,49.1) 69.6,48.7 66.8,48.7 66.76,48.69 66.71,48.68 66.68,48.66 66.64,48.62 66.62,48.59 66.61,48.54 66.6,48.5 66.6,48.43 66.59,48.38 66.58,48.34 66.56,48.3 66.52,48.27 66.49,48.25 66.44,48.23 66.4,48.23 66.36,48.23 66.31,48.25 66.28,48.27 66.24,48.3 66.22,48.34 66.21,48.38 66.2,48.43 66.2,48.5 66.19,48.54 66.18,48.59 66.16,48.62 66.12,48.66 66.09,48.68 66.04,48.69 66,48.7 58.4,48.7 v1(58,49.1)
  BOTTOM w0.102: v1(58,49.1) 57.87,49.23 R65.1
